# Altium PCB RockerBox_1_SiC780A_Rev01.PcbDoc (part 5 of 5)
Units mil, origin at the board's own origin, x right, y up, seen from the top; angles counter-clockwise.
Board outline 3937.01 x 3937.01 mil, 4 copper layers (L1, L2, L3, L4), stack 62.087 mil thick; 390 components, 96 nets, 1487 pads, 1631 vias.
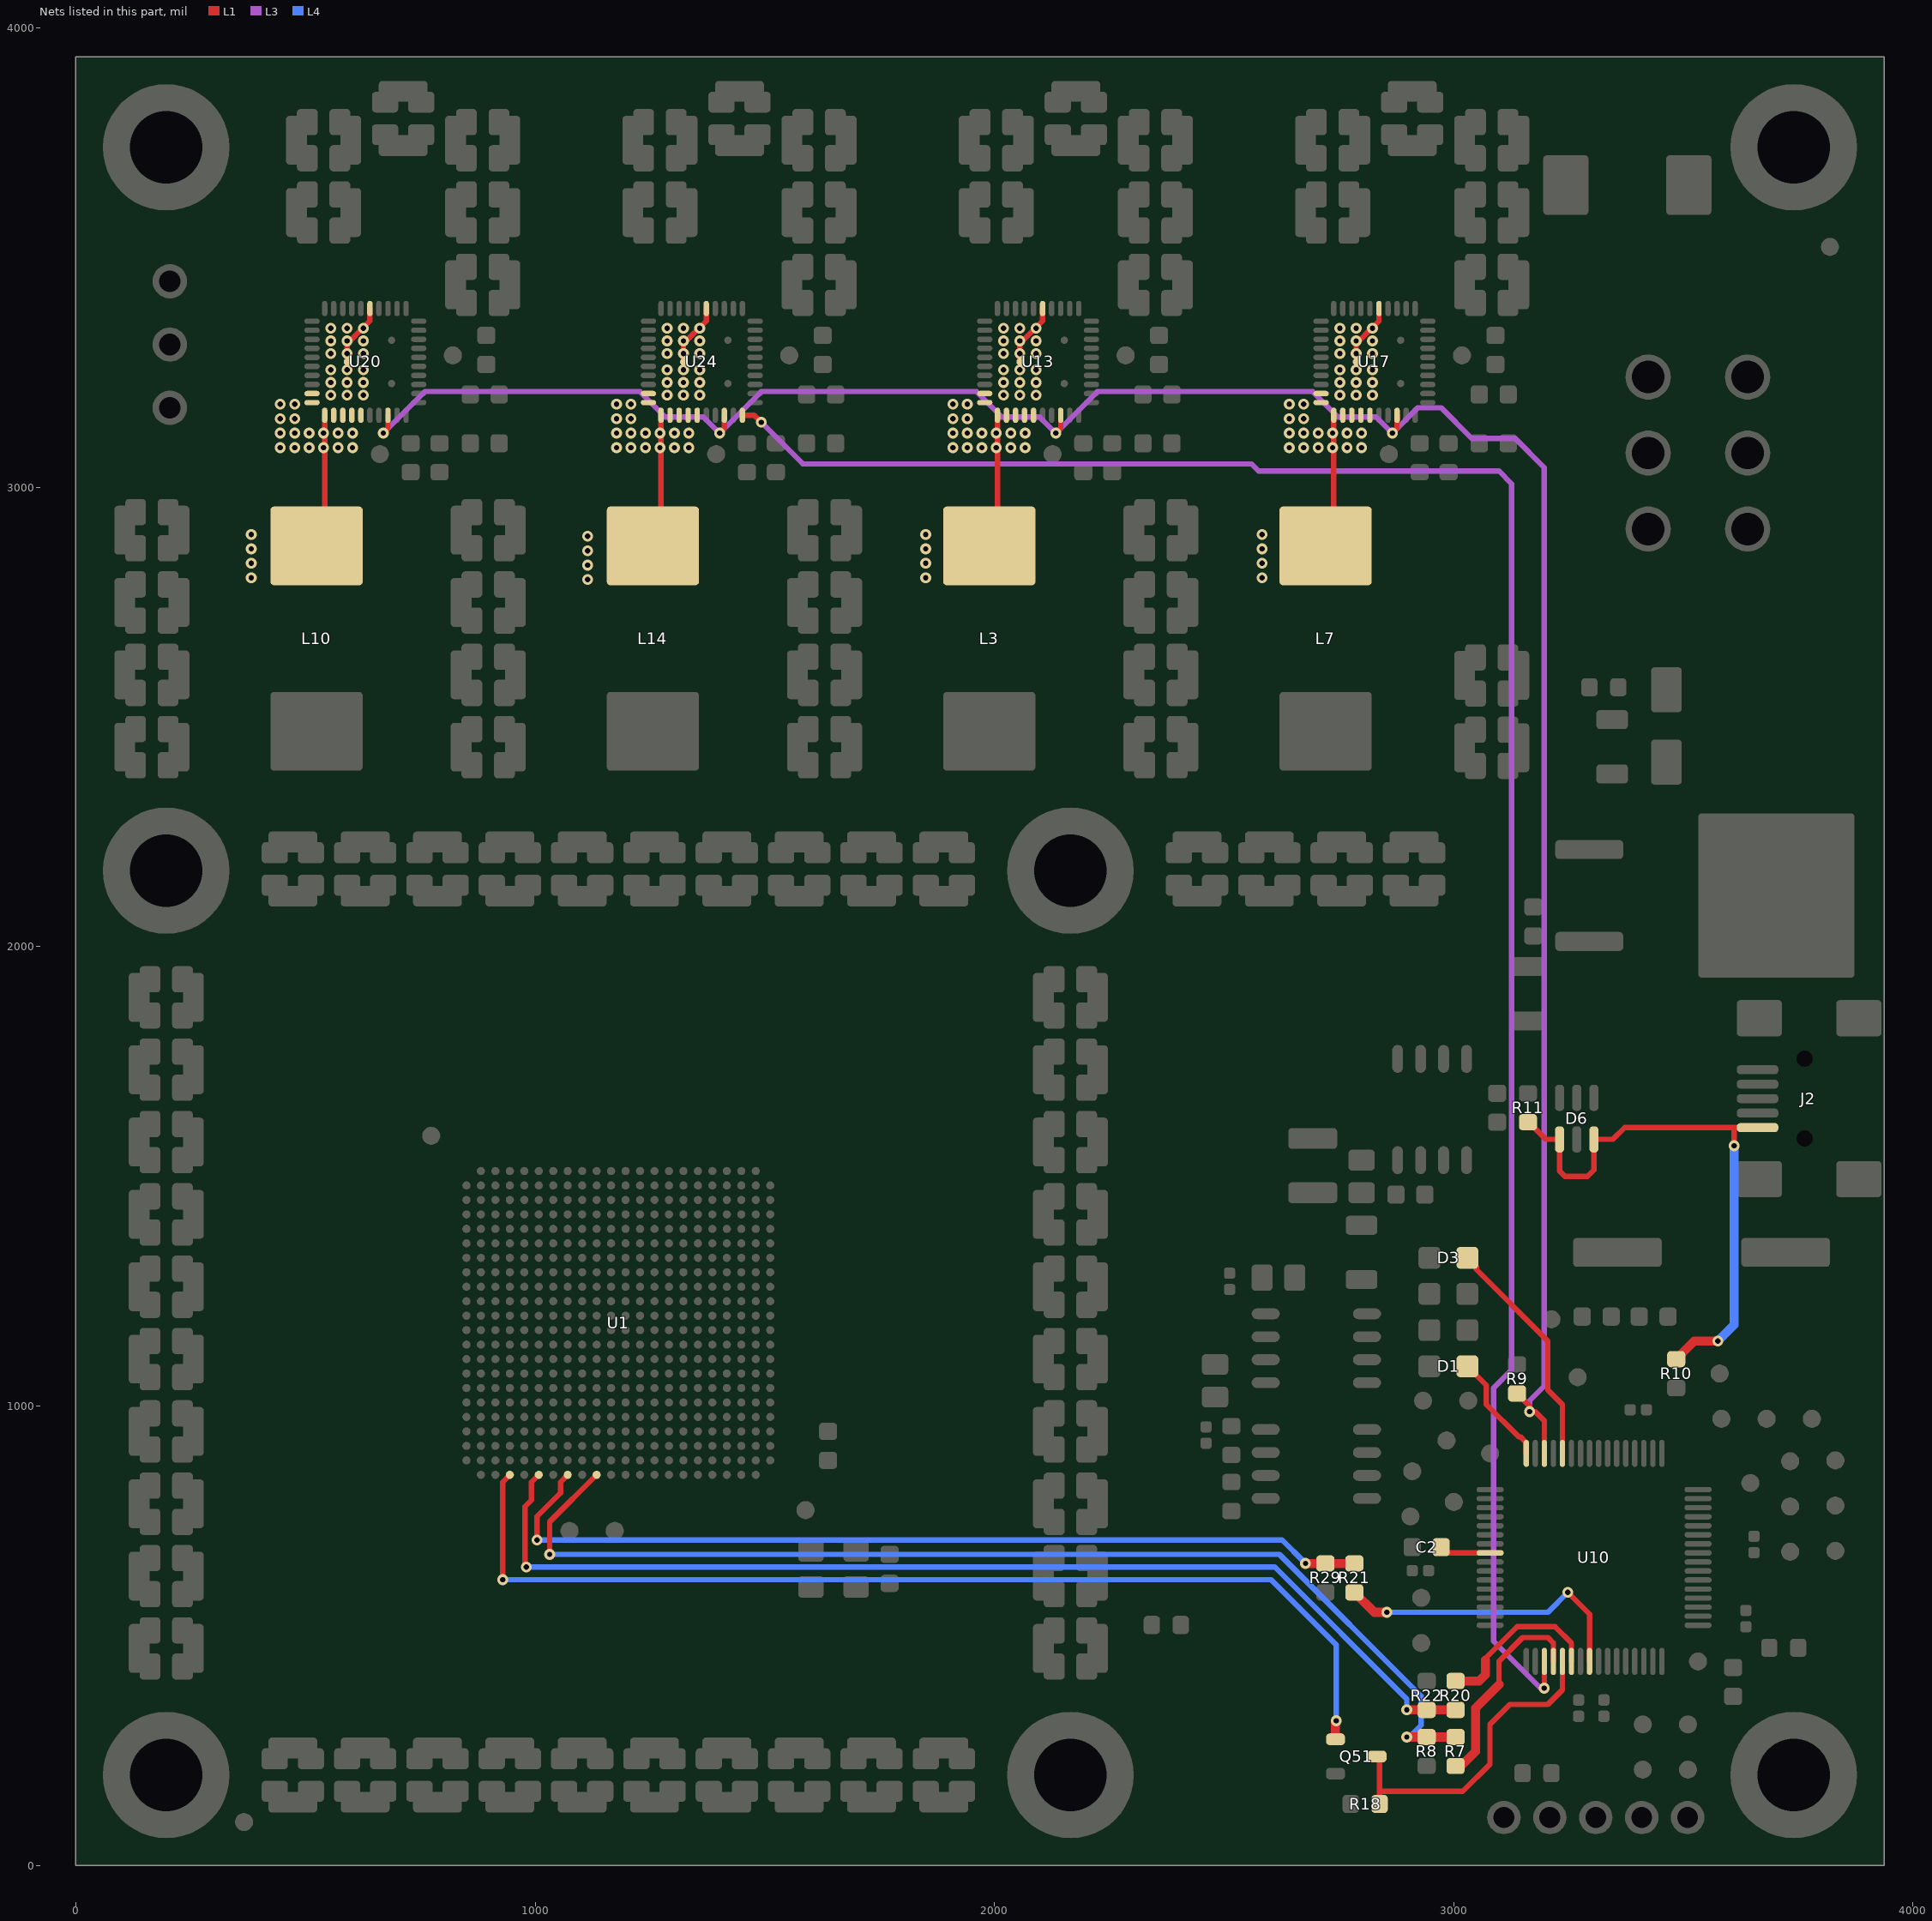
[diagram p7: the nets of this part, all layers, seen from the top]

## Via types
v1: diameter 23.62/23.62/23.62 (per signal layer), hole 11.81, L1 to L4, 1168 vias
v2: diameter 17.72/17.72/17.72 (per signal layer), hole 7.87, L1 to L4, 463 vias

## Nets (pads, with @x,y where several pads share a name; then routed paths per layer and width w, separated by ;. In a path a pad name is that pad's centre, name@x,y a point inside that pad or via, vN(x,y) a via of type N, cw(c..) or ccw(c..) an arc to the next point about the centre after c; other vN are vias at no path point) (continued)
PWM4H: U10.3 U24.40 | length 4483.9
  L1 w11.81: U24.40@1451.24,3157.07 1476.78,3157.07 v1(1492.13,3141.73) ; v1(3196.85,385.83) 3197.15,385.83 U10.3@3197.15,444.21
  L3 w11.81: v1(1492.13,3141.73) 1582.68,3051.18 2559.06,3051.18 2574.8,3035.43 3098.43,3035.43 3125.98,3007.87 3125.98,1078.74 3086.61,1039.37 3086.61,488.19 3188.98,385.83 v1(3196.85,385.83)
RED: D1.2 U10.48 | length 245
  L1 w11.81: D1.2@3029.53,1086.61 3070.87,1045.28 3070.87,1003.66 3141.45,933.07 3145.3,933.07 3157.78,920.59 U10.48@3157.78,896.97
RESET_COLD_L: R21.1 R29.1 U1.R22 | length 1969.9
  L1 w11.81: v1(1004.13,708.66) 1004.13,759.84 1055.12,810.83 1055.12,834.65 U1.R22@1070.87,850.39
  L1 w19.68: v1(2677.17,657.48) R29.1@2720.47,657.48 R21.1@2783.46,657.48
  L4 w11.81: v1(1004.13,708.66) 2626.12,708.66 2674.46,660.32 v1(2677.17,657.48)
RESET_PIC: R21.2 U10.8 | length 670.5
  L1 w11.81: v1(3248.23,594.49) 3295.57,547.15 U10.8@3295.57,444.21
  L1 w19.68: R21.2@2783.46,594.49 2826.77,551.18 v1(2854.33,551.18)
  L4 w11.81: v1(2854.33,551.18) 3204.92,551.18 v1(3248.23,594.49)
SER_CLK: R7.1 R8.1 U1.N22 | length 2452.7
  L1 w11.81: v1(1031.69,677.17) 1031.69,748.23 U1.N22@1133.86,850.39
  L1 w19.68: v1(2897.64,279.53) R7.1@3003.94,279.53
  L4 w11.81: v1(1031.69,677.17) 2620.49,677.17 2929.13,368.52 2929.13,305.07 2905.51,281.45 2899.56,281.45 v1(2897.64,279.53)
SER_CLK_PIC: R7.2 U10.4 | length 458.8
  L1 w11.81: 3098.43,393.7 3098.43,444.88 3149.61,496.06 3204.92,496.06 3216.73,484.25 U10.4@3216.83,444.21
  L1 w19.68: R7.2@3003.94,216.54 3015.75,216.54 3047.24,248.03 3047.24,342.52 3098.43,393.7
SWN7: L10.1 U20.15 U20.29 U20.30 U20.31 U20.32 U20.33 U20.34 U20.35 U20.43 | length 439.1
  L1 w11.81: L10.1@524.07,2872.63 541.79,2872.63 U20.31@541.79,3157.07 ; U20.43@591,3273.22 590.55,3273.67 v1(590.55,3291.34) 590.55,3312.54 593.73,3315.72 625.23,3347.22 640.21,3362.2 U20.15@640.21,3389.36
  other v1: 381.89,2803.15 381.89,2834.65 381.89,2866.14 381.89,2897.64 444.88,3086.61 476.38,3086.61 507.87,3086.61 539.37,3086.61 570.87,3086.61 602.36,3086.61 444.88,3118.11 476.38,3118.11 507.87,3118.11 539.37,3118.11 570.87,3118.11 602.36,3118.11 444.88,3149.61 476.38,3149.61 444.88,3181.1 476.38,3181.1 555.12,3200.79 590.55,3200.79 625.98,3200.79 555.12,3228.35 590.55,3228.35 625.98,3228.35 555.12,3255.91 590.55,3255.91 625.98,3255.91 555.12,3291.34 625.98,3291.34 555.12,3318.9 590.55,3318.9 625.98,3318.9 555.12,3346.46 590.55,3346.46 625.98,3346.46
SWN8: L14.1 U24.15 U24.29 U24.30 U24.31 U24.32 U24.33 U24.34 U24.35 U24.43 | length 439.1
  L1 w11.81: L14.1@1256.36,2872.63 1274.07,2872.63 U24.31@1274.07,3157.07 ; U24.43@1323.29,3273.22 1322.83,3273.67 v1(1322.83,3291.34) 1322.83,3312.54 1372.5,3362.2 U24.15@1372.5,3389.36
  other v1: 1114.17,2799.21 1114.17,2830.71 1114.17,2862.2 1114.17,2893.7 1177.17,3086.61 1208.66,3086.61 1240.16,3086.61 1271.65,3086.61 1303.15,3086.61 1334.65,3086.61 1177.17,3118.11 1208.66,3118.11 1240.16,3118.11 1271.65,3118.11 1303.15,3118.11 1334.65,3118.11 1177.17,3149.61 1208.66,3149.61 1177.17,3181.1 1208.66,3181.1 1287.4,3200.79 1322.83,3200.79 1358.27,3200.79 1287.4,3228.35 1322.83,3228.35 1358.27,3228.35 1287.4,3255.91 1322.83,3255.91 1358.27,3255.91 1287.4,3291.34 1358.27,3291.34 1287.4,3318.9 1322.83,3318.9 1358.27,3318.9 1287.4,3346.46 1322.83,3346.46 1358.27,3346.46
SWN9: L3.1 U13.15 U13.29 U13.30 U13.31 U13.32 U13.33 U13.34 U13.35 U13.43 | length 439.1
  L1 w11.81: L3.1@1988.64,2872.63 2006.36,2872.63 U13.31@2006.36,3157.07 ; U13.43@2055.57,3273.22 2055.12,3273.67 v1(2055.12,3291.34) 2055.12,3312.54 2104.78,3362.2 U13.15@2104.78,3389.36
  other v1: 1850.39,2803.15 1850.39,2834.65 1850.39,2866.14 1850.39,2897.64 1909.45,3086.61 1940.94,3086.61 1972.44,3086.61 2003.94,3086.61 2035.43,3086.61 2066.93,3086.61 1909.45,3118.11 1940.94,3118.11 1972.44,3118.11 2003.94,3118.11 2035.43,3118.11 2066.93,3118.11 1909.45,3149.61 1940.94,3149.61 1909.45,3181.1 1940.94,3181.1 2019.68,3200.79 2055.12,3200.79 2090.55,3200.79 2019.68,3228.35 2055.12,3228.35 2090.55,3228.35 2019.68,3255.91 2055.12,3255.91 2090.55,3255.91 2019.68,3291.34 2090.55,3291.34 2019.68,3318.9 2055.12,3318.9 2090.55,3318.9 2019.68,3346.46 2055.12,3346.46 2090.55,3346.46
SWN10: L7.1 U17.15 U17.29 U17.30 U17.31 U17.32 U17.33 U17.34 U17.35 U17.43 | length 439.1
  L1 w11.81: L7.1@2720.92,2872.63 2738.64,2872.63 U17.31@2738.64,3157.07 ; U17.43@2787.85,3273.22 2787.4,3273.67 v1(2787.4,3291.34) 2787.4,3312.54 2790.58,3315.72 2822.08,3347.22 2837.07,3362.2 U17.15@2837.07,3389.36
  other v1: 2582.68,2803.15 2582.68,2834.65 2582.68,2866.14 2582.68,2897.64 2641.73,3086.61 2673.23,3086.61 2704.72,3086.61 2736.22,3086.61 2767.72,3086.61 2799.21,3086.61 2641.73,3118.11 2673.23,3118.11 2704.72,3118.11 2736.22,3118.11 2767.72,3118.11 2799.21,3118.11 2641.73,3149.61 2673.23,3149.61 2641.73,3181.1 2673.23,3181.1 2751.97,3200.79 2787.4,3200.79 2822.83,3200.79 2751.97,3228.35 2787.4,3228.35 2822.83,3228.35 2751.97,3255.91 2787.4,3255.91 2822.83,3255.91 2751.97,3291.34 2822.83,3291.34 2751.97,3318.9 2787.4,3318.9 2822.83,3318.9 2751.97,3346.46 2787.4,3346.46 2822.83,3346.46
THDN: R9.1 U10.46 U13.38 U17.38 U20.38 U24.38 | length 5232.7
  L1 w11.81: v1(669.29,3118.11) 679.58,3128.4 U20.38@679.58,3157.07 ; v1(1401.57,3118.11) 1411.87,3128.4 U24.38@1411.87,3157.07 ; v1(2133.86,3118.11) 2144.15,3128.4 U13.38@2144.15,3157.07 ; v1(2866.14,3118.11) 2876.44,3128.4 U17.38@2876.44,3157.07 ; R9.1@3137.8,1027.56 3144.7,1020.69 3144.8,1020.69 3165.41,1000.09 3165.41,988.24 v1(3165.35,988.19) ; v1(3165.35,988.19) 3177.37,988.18 3181.19,984.36 3197.15,968.5 U10.46@3197.15,896.97
  L3 w11.81: v1(669.29,3118.11) 759.84,3208.66 1228.35,3208.66 1283.46,3153.54 1366.14,3153.54 v1(1401.57,3118.11) 1492.13,3208.66 1960.63,3208.66 2015.75,3153.54 2098.43,3153.54 v1(2133.86,3118.11) 2224.41,3208.66 2692.91,3208.66 2748.03,3153.54 2830.71,3153.54 v1(2866.14,3118.11) 2921.26,3173.23 2972.44,3173.23 3039.37,3106.3 3133.86,3106.3 3196.85,3043.31 3196.85,1043.31 3165.35,1011.81 v1(3165.35,988.19)
TXD_0: R20.2 U10.6 | length 376.5
  L1 w11.81: 3068.9,446.85 3068.9,450.79 3137.8,519.69 3220.47,519.69 3256.2,483.96 U10.6@3256.2,444.21
  L1 w19.68: R20.2@3003.94,401.57 3055.12,401.57 3068.9,415.35 3068.9,446.85
TXD_1: R20.1 R22.1 U1.U22 | length 2380.3
  L1 w11.81: v1(980.51,649.61) 977.95,652.17 977.95,781.1 992.13,795.28 992.13,834.65 U1.U22@1007.87,850.39
  L1 w19.68: v1(2897.64,338.58) R20.1@3003.94,338.58
  L4 w11.81: v1(980.51,649.61) 2610.24,649.61 2897.64,362.2 v1(2897.64,338.58)
TXD_2: Q51.1 U1.W22 | length 2314.9
  L1 w11.81: v1(929.13,622.05) 929.13,834.65 U1.W22@944.88,850.39
  L1 w19.68: Q51.1@2742.37,274.71 2742.37,313.23 v1(2744.09,314.96)
  L4 w11.81: v1(929.13,622.05) 2602.36,622.05 2744.09,480.31 v1(2744.09,314.96)
TXD_10: Q51.3 R18.2 U10.5 | length 711.3
  L1 w11.81: Q51.3@2832.92,237.31 2838.58,237.31 2838.58,161.42 ; R18.2@2838.58,133.86 2838.58,161.42 ; U10.5@3236.52,444.21 3236.52,382.19 3204.72,350.39 3122.05,350.39 3078.74,307.09 3078.74,220.47 3019.68,161.42 2838.58,161.42
USB5.0V: D6.4 D6.6 J2.1 R10.1 R11.2 | length 1258.6
  L1 w11.81: R11.2@3161.42,1618.11 3163.39,1618.11 3200.79,1580.71 D6.4@3230.31,1580.71 3230.31,1511.81 3242.13,1500 3291.34,1500 3305.12,1513.78 D6.6@3305.12,1580.71 3346.46,1580.71 3372.05,1606.3 3610.24,1606.3 ; v1(3610.24,1566.93) 3610.24,1606.3 ; J2.1@3661.42,1606.3 3610.24,1606.3
  L1 w19.68: R10.1@3484.25,1102.36 3523.62,1141.73 v1(3574.8,1141.73)
  L4 w19.68: v1(3574.8,1141.73) 3610.24,1177.17 v1(3610.24,1566.93)
VCAP: C2.1 U10.56 | length 112.3
  L1 w11.81: C2.1@2972.44,692.91 2972.44,691.93 2983.93,680.44 U10.56@3079.04,680.44
YELLOW: D3.2 U10.44 | length 511.6
  L1 w11.81: D3.2@3029.53,1322.83 3049.21,1303.15 3049.21,1297.24 3204.72,1141.73 3204.72,1035.43 3236.52,1003.64 U10.44@3236.52,896.97
pads on no net: FID1.1 FID2.1 J2.4 J2.10 J2.11 U1.AA19 U1.AA20 U1.AA21 U1.AB19 U1.AB20 U1.AB21 U1.E22 U1.FID1 U1.FID2 U1.J22 U1.L22 U1.M22 U6.2 U6.3 U6.4 U9.2 U9.3 U9.4 U10.2 U10.52 U10.61 U10.63 U10.64 U10.65 U10.66 U13.1 U17.1 U20.1 U24.1 U29.3 U29.4

## Polygon pours and split planes (outlines as drawn)
GND on L4 "L4-GND" (solid, remove dead copper, pour order 48): 0,3937.01 3937.01,3937.01 3937.01,0 0,0
SWN10 on L4 "L4-$1I88\SWN10" (solid, remove dead copper, pour order 43): 2834.65,3360.24 2834.65,2783.46 2543.31,2783.46 2543.31,3114.17 2637.8,3208.66 2740.16,3208.66 2740.16,3360.24
SWN9 on L4 "L4-$1I88\SWN9" (solid, remove dead copper, pour order 45): 2102.36,3360.24 2102.36,2783.46 1811.02,2783.46 1811.02,3114.17 1905.51,3208.66 2007.87,3208.66 2007.87,3360.24
12V on L4 "L4-12V" (solid, remove dead copper, pour order 47): 622.05,3937.01 3937.01,3937.01 3937.01,2795.28 3515.75,2795.28 3515.75,3287.4 3228.35,3574.8 622.05,3574.8
SWN7 on L4 "L4-$1I88\SWN7" (solid, remove dead copper, pour order 46): 637.8,3360.24 637.8,2783.46 346.46,2783.46 346.46,3114.17 440.94,3208.66 543.31,3208.66 543.31,3360.24
SWN8 on L4 "L4-$1I88\SWN8" (solid, remove dead copper, pour order 44): 1370.08,3360.24 1370.08,2783.46 1078.74,2783.46 1078.74,3114.17 1173.23,3208.66 1275.59,3208.66 1275.59,3360.24
GND on L3 "L3-GND" (solid, remove dead copper, pour order 41): 3090.55,3937.01 3937.01,3937.01 3937.01,0 3090.55,0
12V on L3 "L3-12V" (solid, remove dead copper, pour order 40): 0,3937.01 3937.01,3937.01 3932.96,2795.28 3515.75,2795.28 3515.75,3185.04 3464.57,3236.22 0,3236.22
1V on L3 "L3-1V" (solid, remove dead copper, pour order 42): 0,0 3078.74,0 3078.74,2976.38 0,2976.38
GND on L1 "L1-GND" (solid, remove dead copper, pour order 37): 2165.35,196.85 196.85,196.85 196.85,2165.35 2165.35,2165.35
GND on L1 "L1-GND 1" (solid, remove dead copper, pour order 39): 3.94,3937.01 3937.01,3937.01 3937.01,0 3.94,0
12V on L1 "L1-12V" (solid, remove dead copper, pour order 33): 2744.09,3807.09 3070.87,3807.09 3070.87,3401.57 2988.19,3318.9 2913.39,3318.9 2913.39,3279.53 2854.33,3279.53 2854.33,3417.32 2744.09,3527.56
12V on L1 "L1-12V 1" (solid, remove dead copper, pour order 36): 2011.81,3807.09 2338.58,3807.09 2338.58,3401.57 2255.91,3318.9 2181.1,3318.9 2181.1,3279.53 2122.05,3279.53 2122.05,3417.32 2011.81,3527.56
SWN8 on L1 "L1-$1I88\SWN8" (solid, remove dead copper, pour order 32): 1370.08,3360.24 1370.08,2783.46 1078.74,2783.46 1078.74,3114.17 1173.23,3208.66 1275.59,3208.66 1275.59,3360.24
GND on L1 "L1-GND 2" (solid, remove dead copper, pour order 26): 1618.11,2366.14 1464.57,2366.14 1464.57,3051.18 1618.11,3051.18
GND on L1 "L1-GND 3" (solid, remove dead copper, pour order 28): 885.83,2366.14 732.28,2366.14 732.28,3051.18 885.83,3051.18
SWN7 on L1 "L1-$1I88\SWN7" (solid, remove dead copper, pour order 31): 637.8,3360.24 637.8,2783.46 346.46,2783.46 346.46,3114.17 440.94,3208.66 543.31,3208.66 543.31,3360.24
SWN10 on L1 "L1-$1I88\SWN10" (solid, remove dead copper, pour order 29): 2834.65,3360.24 2834.65,2783.46 2543.31,2783.46 2543.31,3114.17 2637.8,3208.66 2740.16,3208.66 2740.16,3360.24
SWN9 on L1 "L1-$1I88\SWN9" (solid, remove dead copper, pour order 30): 2102.36,3360.24 2102.36,2783.46 1811.02,2783.46 1811.02,3114.17 1905.51,3208.66 2007.87,3208.66 2007.87,3360.24
12V on L1 "L1-12V 2" (solid, remove dead copper, pour order 35): 1279.53,3807.09 1606.3,3807.09 1606.3,3401.57 1523.62,3318.9 1448.82,3318.9 1448.82,3279.53 1389.76,3279.53 1389.76,3417.32 1279.53,3527.56
12V on L1 "L1-12V 3" (solid, remove dead copper, pour order 34): 547.24,3807.09 874.02,3807.09 874.02,3401.57 791.34,3318.9 716.54,3318.9 716.54,3279.53 657.48,3279.53 657.48,3417.32 547.24,3527.56
1V on L1 "L1-1V" (solid, remove dead copper, pour order 38): 2362.2,0 0,0 0,2976.38 3078.74,2976.38 3078.74,2169.29 2362.2,2169.29
GND on L1 "L1-GND 4" (solid, remove dead copper, pour order 25): 2350.39,2362.2 2196.85,2362.2 2196.85,3047.24 2350.39,3047.24
GND on L1 "L1-GND 5" (solid, remove dead copper, pour order 27): 153.54,2366.14 0,2366.14 0,3051.18 153.54,3051.18
GND on L2 (split plane): 3926.92,10.09 10.09,10.09 10.09,3926.92 3926.92,3926.92

## Keep-outs
Keep-Out Layer:
  the board outline again, w7.87

## Other copper
L2 (plane layer: these items are gaps in the copper):
  the board outline again, w7.87
Multi-Layer:
  lines w1.97: -822.83,-5167.32 -822.83,-5173.23 -816.93,-5173.23
  lines w3.94: -625.98,-4681.1 -429.13,-4681.1 6854.33,-4681.1 ; -625.98,-2909.45 -429.13,-2909.45 -429.13,-4976.38 ; -625.98,-1293.78 -429.13,-1293.78 ; -625.98,674.72 -429.13,674.72 ; -625.98,2643.23 -429.13,2643.23 ; -625.98,4613.22 -429.13,4613.22 ; -429.13,6322.83 -429.13,-4976.38 ; -419.29,-4976.38 6854.33,-4976.38 ; 6854.33,-2909.45 6854.33,-4976.38 ; -429.13,-4976.38 6854.33,-4976.38 ; -429.13,-4976.38 -625.98,-4976.38 -625.98,6322.83 6854.33,6322.83 6854.33,-4976.38 ; -429.13,-4976.38 6854.33,-4976.38 ; -429.13,-4976.38 6854.33,-4976.38
  text "Printed copies of this document are uncontrolled and may NOT be current. All information is strictly CONFIDENTIAL." at -403.54,-4781.5 h41.34
  text "IMI Group reserves all rights even in the event of industrial property rights." at 3852.36,-4781.5 h41.34
  text "We reserve all rights of disposal such as copying and passing on to third parties." at -405.51,-4917.32 h41.34

## Silkscreen, mask and mechanical layers (free items; w line width, h text height)
26_Silkscreen Top:
  drawing of 1698 lines, arcs and shapes, not listed
Mechanical 17:
  the board outline again, w7.87

## Text inside footprints (layer, text, board x,y; h text height)
J1: Top Assy "5" at 3536.75,66.93 h19.68; Top Assy "1" at 3070.49,66.93 h19.68
J2: Top Assy "5" at 3740.16,1727.69 h19.68 r90; Top Assy "1" at 3740.16,1603.96 h19.68 r90
J3: Top Assy "3" at 216.53,3493.44 h19.68 r90; Top Assy "1" at 216.53,3117.74 h19.68 r90
J12: Top Assy "1" at 3625.99,3307.46 h19.68 r270; Top Assy "4" at 3431.1,3312.15 h19.68 r270; Top Assy "3" at 3625.99,2854.99 h19.68 r270; Top Assy "6" at 3431.1,2854.52 h19.68 r270